# Altium PCB SVEC.pcbdoc (part 11 of 18)
Units mil, origin at the board's own origin, x right, y up, seen from the top; angles counter-clockwise.
Board outline 6349.25 x 9237.04 mil, 10 copper layers (Top Layer, L2 GND, L3, L4 PWR3.3, L5, L6, L7 GND, L8, L9 PWR, Bottom Layer), stack 58.268 mil thick; 906 components, 904 nets, 4753 pads, 3116 vias.
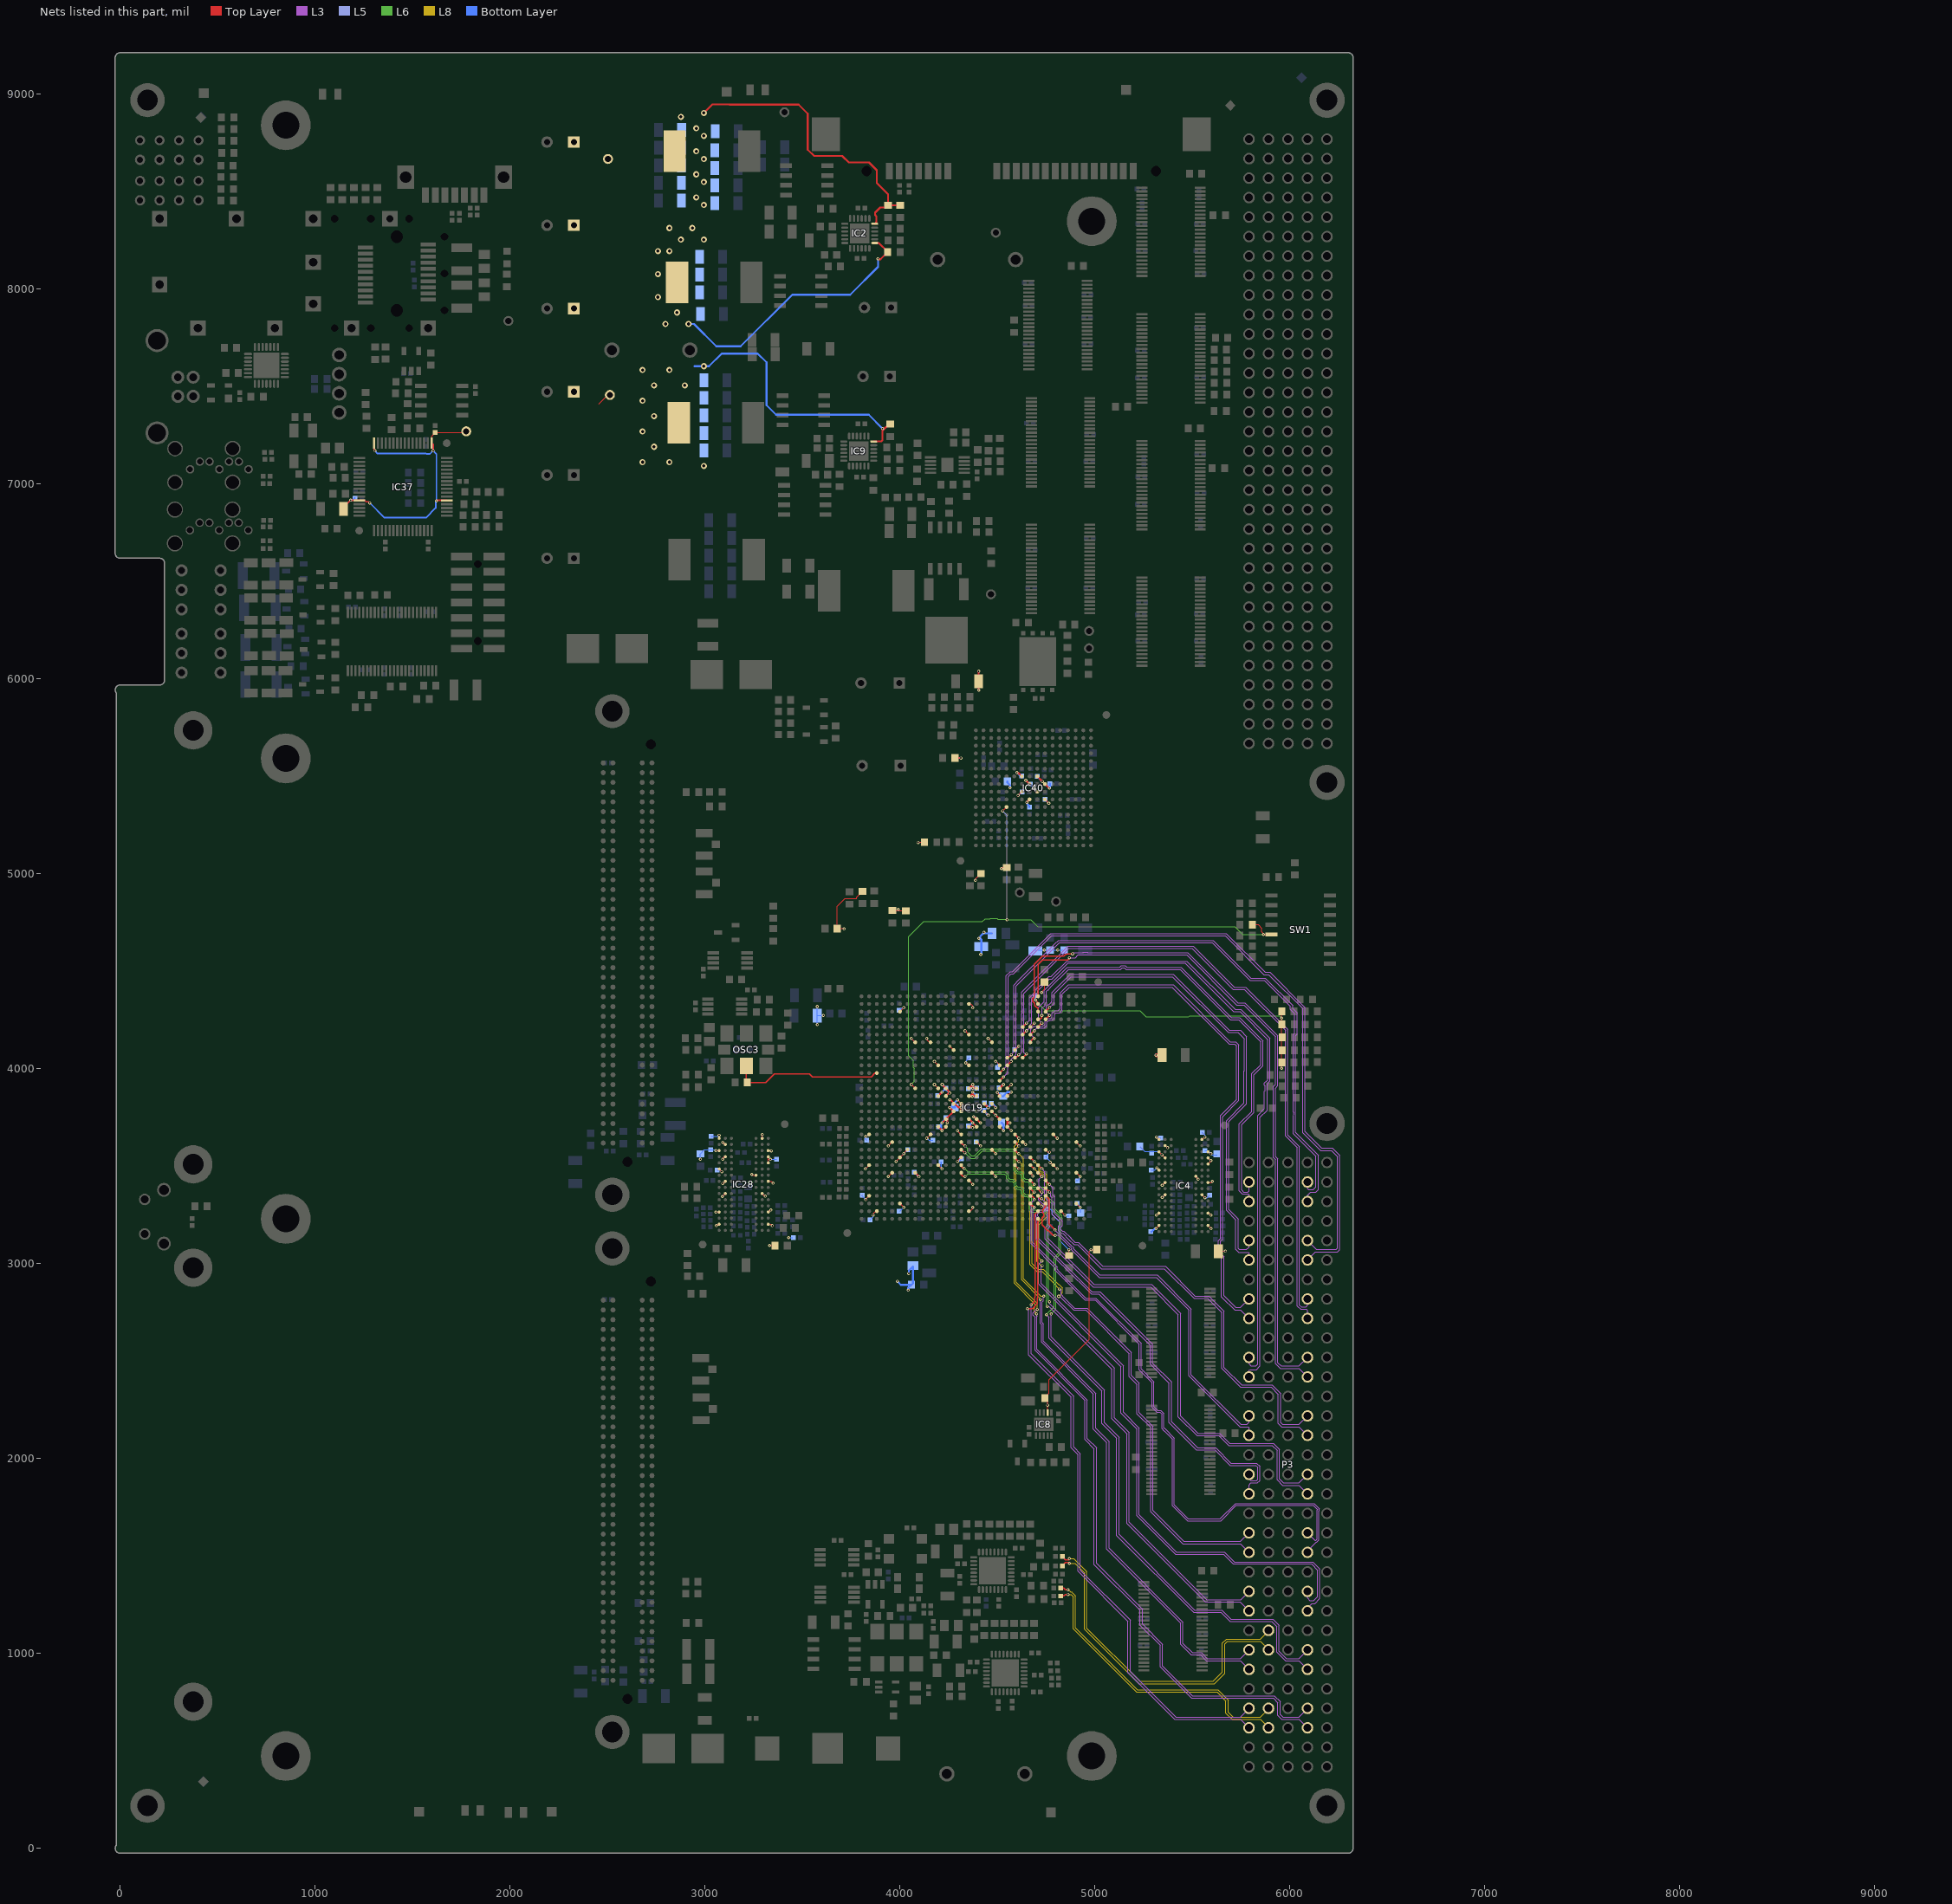
[diagram p19: the nets of this part, all layers, seen from the top]

## Via types
v1: diameter 15.75, hole 7.87, Top Layer to Bottom Layer, tented both sides, 2844 vias
v2: diameter 31.5, hole 15.75, Top Layer to Bottom Layer, tented both sides, 224 vias
v3: diameter 19.68, hole 7.87, Top Layer to Bottom Layer, tented both sides, 31 vias
v4: diameter 15.75, hole 7.87, Top Layer to Bottom Layer, 17 vias

## Nets (pads, with @x,y where several pads share a name; then routed paths per layer and width w, separated by ;. In a path a pad name is that pad's centre, name@x,y a point inside that pad or via, vN(x,y) a via of type N, cw(c..) or ccw(c..) an arc to the next point about the centre after c; other vN are vias at no path point) (continued)
NOGA4: IC19.V23 IC40.F12 R151.1 SW1.5 | length 3429.4
  Top Layer w5: v1(4058.59,3918.62) IC19.V23@4078.28,3898.93 ; v1@4527.07,5322.39 IC40.F12@4546.76,5342.08 ; R151.1@5807.05,4738.51 5837.55,4738.51 5855.55,4720.51 5855.55,4701.51 v1@5868.55,4688.51 ; v1@5867.55,4688.51 v1@5868.55,4688.51 ; SW1.5@5905.95,4688.51 v1@5868.55,4688.51
  L6 w4: 4074.55,3954.51 4074.55,4001.02 4068.86,4006.71 4068.86,4042.2 4043.68,4067.38 4043.68,4384.89 4045.43,4386.64 4045.43,4678.38 4121.68,4754.63 4423.3,4754.63 4437.43,4768.77 4461.75,4768.77 4464.36,4771.38 4497.3,4771.38 4502.17,4766.51 4547.55,4766.51 v1(4549.55,4764.51) 4671.55,4764.51 4707.55,4728.51 5718.55,4728.51 5758.55,4688.51 v1(5864.69,4688.51) v1@5867.55,4688.51
  L6 w5: v1(4058.59,3918.62) 4074.55,3934.58 4074.55,3954.51
  L5 w4: v1(4527.55,5322.51) 4549.55,5300.51 v1(4549.55,4764.51)
OE_SI57X: IC19.Y28 OSC3.2 R20.1 | length 786.8
  Top Layer w6: OSC3.2@3210.55,4016.83 3210.55,3936 R20.1@3217.05,3929.51 3311.92,3929.51 3355.93,3973.51 3536.68,3973.51 3551.69,3958.51 3852.52,3958.51 3871.69,3977.67 IC19.Y28@3881.43,3977.67
P1V2: B6.1 C24.2 C25.2 C45.2 C46.2 C47.2 C49.2 C134.2 C140.2 C146.2 C147.2 C159.2 C160.2 C169.2 C174.2 C177.2 C181.2 C183.2 C192.2 C193.2 C201.2 C203.2 C207.2 C209.2 C210.2 C212.2 C223.2 C224.1 C225.1 C229.2 C231.2 C234.2 C302.2 C305.2 C313.2 C325.2 C334.2 C341.2 C344.2 C381.2 C382.2 IC2.6 IC19.N11 IC19.N12 IC19.N15 IC19.N16 IC19.N19 IC19.N20 IC19.P11 IC19.P12 IC19.P15 IC19.P16 IC19.P19 IC19.R13 IC19.R14 IC19.R17 IC19.R18 IC19.T13 IC19.T14 IC19.T17 IC19.T18 IC19.U11 IC19.U12 IC19.U15 IC19.U16 IC19.U19 IC19.U20 IC19.V11 IC19.V12 IC19.V15 IC19.V16 IC19.V19 IC19.V20 IC40.G7 IC40.G9 IC40.H8 IC40.H10 IC40.J7 IC40.J9 IC40.K8 IC40.K10 L8.1 L9.1 L13.2 R26.1 R129.2 | length 4431.4
  Top Layer w5: v1(4176.7,3918.62) IC19.V20@4196.39,3898.93 ; v1@4216.55,3683.51 4216.55,3682.88 IC19.N19@4235.76,3702.08 ; v1(4255.44,3839.88) v1@4260.32,3839.88 ; v1(4294.81,3839.88) IC19.T17@4314.5,3820.19 4314.5,3802.45 v1(4313.69,3801.64) ; IC19.R17@4314.5,3782.32 v1@4314.5,3800.06 ; IC19.R14@4432.61,3780.82 v1(4452.29,3761.14) ; IC19.R13@4471.98,3780.82 v1(4491.66,3761.14) ; IC19.T13@4471.98,3820.19 v1(4491.66,3800.51) ; IC19.N12@4511.35,3702.08 v1(4531.03,3682.4) ; IC19.N11@4550.72,3702.08 v1(4570.4,3682.4) ; IC19.U11@4550.72,3859.56 v1(4570.4,3879.25) ; IC19.V11@4550.72,3898.93 v1(4570.4,3918.62) ; v1(4605.81,5401.14) IC40.H10@4625.5,5420.82 ; IC40.G7@4743.61,5381.45 v1(4763.3,5361.76)
  Top Layer w10: v2(2994.49,8902.95) 3038.04,8946.51 3125.55,8946.51 3126.55,8945.51 3480.52,8945.51 3527.1,8898.93 3527.1,8715.03 3559.73,8682.4 3703.93,8682.4 3737.69,8648.64 3841.69,8648.64 3881.43,8608.9 3881.43,8543.04 3938.92,8485.55 R26.1@3938.92,8429.37 ; IC2.6@3870.7,8334.09 3879.43,8342.82 3879.43,8372.91 3872.55,8379.78 3872.55,8391.51 3899.55,8418.51 3928.06,8418.51 R26.1@3938.92,8429.37 ; R129.2@4000.92,8429.37 R26.1@3938.92,8429.37 ; IC19.N20@4196.39,3702.08 4197.98,3702.08 v1@4216.55,3683.51 ; IC19.U20@4196.39,3859.56 4196.39,3860.34 v1@4216.55,3880.51 ; v1(4216.69,3918.64) 4216.69,3918 IC19.V19@4235.76,3898.93 4251.55,3883.14 4251.55,3876.51 4235.76,3860.71 IC19.U19@4235.76,3859.56 ; v1@4218.55,3723.51 4218.55,3724.25 IC19.P19@4235.76,3741.45 ; v1(4242.69,3722.64) 4242.69,3748.38 IC19.R18@4275.13,3780.82 v1(4255.44,3800.51) 4254.44,3801.51 v1@4253.55,3801.51 ; v1@4260.32,3839.88 4298.55,3801.64 v1(4313.69,3801.64) ; C313.2@4282.05,5593.51 v1(4312.55,5593.51) ; IC19.N16@4353.87,3699.19 IC19.N16@4353.87,3702.08 4367.25,3702.08 v1(4372.69,3696.64) ; IC19.P16@4353.87,3741.45 4355.61,3741.45 v1@4374.55,3722.51 ; IC19.U16@4353.87,3859.56 4361.61,3859.56 4372.55,3870.51 4375.55,3867.51 ; IC19.V16@4353.87,3898.93 v1@4369.44,3914.51 ; v1@4371.55,3914.51 v1@4369.44,3914.51 ; v1(4371.69,3857.64) 4375.55,3861.51 4375.55,3867.51 ; v1(4373.55,3721.77) IC19.N15@4393.24,3702.08 ; v1(4377.49,3753.26) 4381.43,3753.26 IC19.P15@4393.24,3741.45 4411.18,3723.51 v1@4411.55,3723.51 ; IC19.U15@4393.24,3859.56 4383.5,3859.56 4375.55,3867.51 ; IC19.V15@4393.24,3898.93 4385.02,3898.93 v1@4369.44,3914.51 ; v1(4403.55,6038.51) 4403.61,6038.45 C302.2@4403.61,5987.51 4403.61,5942.45 v1(4404.55,5941.51) ; IC19.T14@4432.61,3820.19 4449.55,3803.25 v1@4449.55,3802.51 ; v1(4491.66,3761.14) IC19.P12@4511.35,3741.45 ; v1@4497.55,3877.51 4511.35,3863.71 IC19.U12@4511.35,3859.56 ; IC19.V12@4511.35,3898.93 4530.55,3918.14 v1@4530.55,3919.51 ; IC19.N11@4550.72,3702.08 4550.72,3724.64 ; IC19.P11@4550.72,3741.45 4550.72,3724.64 ; v1(4564.69,3721.64) 4561.69,3724.64 4550.72,3724.64 ; v1(4600.55,5518.51) 4605.55,5518.51 4624.5,5499.56 IC40.K10@4625.5,5499.56 ; v1(4645.55,5479.51) IC40.J9@4664.87,5460.19 ; v1(4650.55,5366.51) 4650.55,5367.13 IC40.G9@4664.87,5381.45 ; v1(4689.55,5435.51) IC40.H8@4704.24,5420.82 ; IC40.K8@4704.24,5499.56 4730.3,5473.51 v1(4730.55,5473.51) ; IC40.J7@4743.61,5460.19 4764.63,5439.17 v1(4766.22,5439.17) ; v1(5313.55,4069.51) 5313.55,4068.51 v1@5314.55,4069.51 ; v1(4313.69,3801.64) 4314.5,3801.64 4314.5,3800.83 v1(4313.69,3801.64)
  Top Layer w20: v1@5314.55,4069.51 C382.2@5344.5,4069.51
  Bottom Layer w5: v1(4605.81,5401.14) 4607.47,5401.14 C334.2@4626.84,5420.51 ; C325.2@4744.55,5382.79 4744.55,5380.51 v1(4763.3,5361.76)
  Bottom Layer w10: v1(3986.69,2909.64) 4004.82,2891.51 C140.2@4059.06,2891.51 ; v1(4042.55,2863.51) 4042.55,2875 C140.2@4059.06,2891.51 ; v1(4045.55,2949.51) 4045.55,2964.07 4066.55,2985.07 4066.55,2899 C140.2@4059.06,2891.51 ; C24.2@4192.27,3704.51 4195.55,3704.51 v1@4212.69,3687.37 ; C174.2@4193.27,3861.51 4197.55,3861.51 4233.97,3897.92 C25.2@4233.97,3900.64 ; v1(4216.07,3721.77) 4212.69,3718.38 v1@4212.69,3687.37 ; v1@4216.55,3683.51 v1@4212.69,3687.37 ; v1(4216.69,3918.64) 4232.69,3902.64 C25.2@4235.97,3902.64 ; v1@4218.55,3723.51 4218.55,3727.22 C159.2@4234.84,3743.51 ; C25.2@4237.84,3898.51 4237.84,3891.22 4251.55,3877.51 v1@4251.55,3876.51 ; v1@4253.55,3801.51 C147.2@4282.06,3801.51 4282.06,3827.12 v1(4294.81,3839.88) ; C201.2@4351.9,3706.02 C201.2@4353.07,3706.02 ; C223.2@4352.27,3897.51 4354.55,3897.51 4356.55,3899.51 v1(4373.69,3899.51) C203.2@4393.84,3899.51 ; C201.2@4357.81,3706.02 C201.2@4353.07,3706.02 ; v1(4372.69,3696.64) 4369.82,3699.51 4346.55,3699.51 C201.2@4353.07,3706.02 ; v1(4373.55,3721.77) 4368.81,3721.77 C201.2@4353.07,3706.02 ; v1@4378.29,3874.51 4389.97,3862.83 4389.97,3856.64 C193.2@4392.55,3859.22 ; v1(4404.55,4668.51) 4410.55,4662.51 4417.55,4662.51 ; v1(4414.55,4586.51) 4417.55,4589.51 C381.2@4417.55,4626.56 4417.55,4662.51 ; C160.2@4429.27,3781.51 4431.93,3781.51 v1(4452.29,3761.14) ; C160.2@4429.4,3786.64 4433.69,3786.64 4449.55,3802.51 4449.55,3806.79 C177.2@4432.55,3823.79 ; v1(4430.55,4699.51) v1@4435.55,4694.51 ; v1(4452.29,3800.51) 4468.69,3816.9 C229.2@4468.69,3822.92 ; L9.1@4472.12,4694.51 v1@4435.55,4694.51 ; C229.2@4472.55,3823.79 4491.67,3804.68 v1(4491.66,3800.51) ; v1@4497.55,3877.51 4503.69,3877.51 4522.19,3859 C146.2@4529.55,3859 4549.8,3879.25 v1(4570.4,3879.25) ; C192.2@4508.27,3901.51 4512.55,3901.51 v1@4530.55,3919.51 ; C134.2@4521.05,3723.51 4531.04,3713.52 v1(4531.03,3682.4) ; C305.2@4551.05,5473.51 4551.05,5467.28 4564.55,5453.77 v1(4564.55,5441.51) ; v1@4605.55,5518.51 v1(4600.55,5518.51) 4613.27,5505.79 C231.2@4625.55,5505.79 ; v1(4650.55,5366.51) 4650.55,5361.77 4663.55,5348.77 C234.2@4663.55,5342.22 ; C341.2@4667.84,5460.51 4667.84,5457.22 v1(4689.55,5435.51) ; C207.2@4704.84,5499.51 4704.84,5497.8 4729.13,5473.51 v1(4730.55,5473.51) ; v1(4766.22,5439.17) 4768.84,5441.79 C344.2@4768.84,5462.51 ; 4417.55,4662.51 4412.69,4667.37 4412.69,4679.64 4427.55,4694.51 v1@4435.55,4694.51
  other v1: 4216.07,3682.4 4412.92,3721.77 4254.69,3874.64 4499.69,3876.64 4216.07,3879.25 4373.55,3879.25 4373.55,3918.62 4531.03,3918.62
  other v2: 2994.49,8430.51 2955.12,8469.88 2994.49,8548.62 2955.12,8587.99 2994.49,8666.73 2955.12,8706.1 2994.49,8784.84 2955.12,8824.21 2876.38,8883.27
P1V5: C28.2 C66.2 C90.2 C93.2 C103.2 C104.2 C105.2 C106.2 C107.2 C108.2 C109.2 C110.2 C111.2 C121.2 C141.2 C149.2 C161.2 C163.2 C178.2 C182.1 C194.2 C204.2 C230.2 C383.2 C384.2 C385.2 C388.2 C389.2 C391.2 C394.2 C395.2 C396.2 IC2.1 IC4.A1 IC4.A8 IC4.B2 IC4.C1 IC4.C9 IC4.D2 IC4.D9 IC4.E9 IC4.F1 IC4.G7 IC4.H2 IC4.H9 IC4.K2 IC4.K8 IC4.N1 IC4.N9 IC4.R1 IC4.R9 IC8.2 IC19.B4 IC19.B28 IC19.C2 IC19.D29 IC19.G2 IC19.G26 IC19.H5 IC19.H29 IC19.J25 IC19.K6 IC19.K24 IC19.L2 IC19.L26 IC19.M5 IC19.M29 IC28.A1 IC28.A8 IC28.B2 IC28.C1 IC28.C9 IC28.D2 IC28.D9 IC28.E9 IC28.F1 IC28.G7 IC28.H2 IC28.H9 IC28.K2 IC28.K8 IC28.N1 IC28.N9 IC28.R1 IC28.R9 L12.2 R168.2 R187.2 | length 4513.7
  Top Layer w5: v1(3056.55,3264.51) 3056.82,3264.77 IC28.N1@3072.57,3264.77 ; v1(3056.55,3579.51) 3056.78,3579.73 IC28.C1@3072.57,3579.73 ; v1(3057.55,3194.51) 3061.55,3194.51 3068.83,3201.78 IC28.R1@3072.57,3201.78 ; IC28.F1@3072.57,3485.25 v1(3086.31,3471.51) ; IC28.A1@3072.57,3642.73 v1(3072.55,3658.51) ; v1(3089.55,3344.51) 3089.55,3344.75 IC28.K2@3104.07,3359.26 ; v1(3090.55,3411.51) 3091.55,3410.51 3092.32,3410.51 IC28.H2@3104.07,3422.25 ; v1(3090.55,3535.51) 3090.55,3539.51 3099.29,3548.24 IC28.D2@3104.07,3548.24 ; v1(3091.55,3622.51) 3092,3622.51 3103.28,3611.23 IC28.B2@3104.07,3611.23 ; v1(3240.55,3457.51) 3244.31,3453.75 IC28.G7@3261.55,3453.75 ; IC28.A8@3293.04,3642.73 3293.04,3659.99 v1(3294.55,3661.51) ; IC28.K8@3296.31,3359.26 IC28.K8@3293.04,3359.26 3306.8,3345.51 v1(3309.55,3345.51) ; IC28.R9@3324.54,3201.78 3342.28,3201.78 3345.55,3198.51 v1(3345.55,3194.51) ; IC28.N9@3324.54,3264.77 3325.82,3264.77 3335.55,3274.51 v1(3337.55,3274.51) ; IC28.H9@3324.54,3422.25 3339.81,3422.25 v1(3349.55,3412.51) ; IC28.E9@3324.54,3516.74 3324.54,3534.51 ; IC28.D9@3324.54,3548.24 3324.54,3534.51 ; IC28.C9@3324.54,3579.73 3340.33,3579.73 3340.55,3579.51 v1(3340.55,3578.51) ; v1(3331.55,3093.51) 3332.55,3092.51 C395.2@3359.06,3092.51 ; v1(3335.55,3534.51) 3324.54,3534.51 ; v1(3822.37,3485.55) IC19.H29@3842.06,3505.23 ; v1@3823.69,3329.64 3832.74,3338.7 3833,3338.7 IC19.D29@3842.06,3347.75 ; v1(3825.55,3653.51) 3829.55,3653.51 3838.76,3662.71 IC19.M29@3842.06,3662.71 ; 3863.55,3257.51 3875.06,3269.01 IC19.B28@3881.43,3269.01 ; v1(3940.48,3446.18) IC19.G26@3960.17,3465.86 ; v1@3944.55,3609.51 3958.39,3623.34 IC19.L26@3960.17,3623.34 ; v1(3979.85,3524.92) IC19.J25@3999.54,3544.6 IC19.K24@4038.91,3583.97 ; IC19.K6@4747.57,3576.49 IC19.K6@4747.57,3583.97 4760.9,3570.64 4767.69,3570.64 v1(4767.69,3571.64) ; IC8.2@4757.24,2235.56 4757.24,2291.32 4739.31,2309.26 4764.55,2334.51 4764.55,2404.51 4970.55,2610.51 4970.55,3062.51 v1(4979.55,3071.51) C149.2@5008.06,3071.51 ; v1(4770.61,3518.56) 4769.69,3519.48 4769.69,3522.48 IC19.H5@4786.94,3505.23 v1(4806.62,3485.55) ; IC19.M5@4786.94,3662.71 v1(4806.62,3643.03) ; IC19.B4@4826.31,3269.01 v1(4846,3249.33) ; IC19.C2@4905.05,3308.38 v1(4924.74,3288.7) 4925.55,3289.51 v1@4925.55,3293.51 ; IC19.G2@4905.05,3465.86 4922.55,3448.36 v1@4922.55,3446.51 ; IC19.L2@4905.05,3623.34 4925.55,3602.84 v1@4925.55,3598.51 ; v1(5313.48,3179.88) 5314.55,3180.96 5314.55,3181.77 IC4.R1@5328.57,3195.78 ; v1(5315.55,3649.51) 5314.55,3648.51 5326.33,3636.73 IC4.A1@5328.57,3636.73 ; v1(5316.13,3248.34) 5315.95,3248.51 5318.3,3248.51 IC4.N1@5328.57,3258.77 IC4.N1@5329.82,3258.77 ; v1(5317.55,3491.51) 5328.57,3480.49 IC4.F1@5328.57,3479.25 IC4.F1@5330.29,3479.25 ; IC4.C1@5328.57,3573.73 v1(5343.8,3558.51) IC4.D2@5360.07,3542.24 ; v1(5345.55,3339.51) 5346.31,3339.51 IC4.K2@5360.07,3353.26 ; v1(5345.55,3402.51) 5346.55,3401.51 5347.55,3401.51 5347.55,3403.74 IC4.H2@5360.07,3416.25 ; IC4.B2@5360.07,3605.23 5370.79,3594.51 v1(5372.55,3594.51) ; IC4.G7@5517.55,3447.75 5517.55,3445.6 v1(5529.59,3433.55) ; IC4.A8@5549.04,3636.73 5551.2,3636.73 v1(5563.77,3649.29) ; IC4.K8@5549.31,3353.26 IC4.K8@5549.04,3353.26 5563.8,3338.51 v1(5564.55,3338.51) ; IC4.R9@5580.54,3195.78 5595.11,3181.21 v1(5595.11,3179.06) ; IC4.N9@5580.54,3258.77 5584.29,3258.77 v1(5594.55,3248.51) ; IC4.H9@5580.54,3416.25 5597.3,3416.25 5599.55,3418.51 v1@5598.55,3418.51 ; IC4.E9@5580.54,3510.74 5593.3,3523.51 5594.55,3523.51 v1(5594.55,3528.51) 5580.82,3542.24 IC4.D9@5580.54,3542.24 ; IC4.C9@5580.54,3573.73 5590.77,3563.51 v1(5594.55,3563.51) ; C121.2@5633.61,3063.51 v1(5669.55,3063.51)
  Top Layer w10: IC2.1@3870.7,8235.66 3891.64,8235.66 R168.2@3937.43,8189.88 3900.06,8152.51 v1@3888.55,8152.51
  L3 w4: v1(3086.31,3471.51) v1@3087.55,3471.51
  L3 w5: v1(3309.55,3345.51) v1@3310.55,3346.51
  Bottom Layer w5: v1(2976.55,3535.51) C396.2@2976.55,3563 2996.77,3583.22 C385.2@3028.55,3583.22 3052.84,3583.22 v1(3056.55,3579.51) ; C394.2@3031.55,3652.22 3066.27,3652.22 v1(3072.55,3658.51) ; C389.2@3062.27,3479.51 3078.31,3479.51 v1(3086.31,3471.51) ; v1(3335.55,3534.51) 3336.27,3535.22 C388.2@3366.55,3535.22 ; v1(3429.55,3133.51) C383.2@3449.84,3133.51 ; C161.2@3806.55,3357.55 C161.2@3806.55,3357.79 ; C161.2@3806.69,3349.92 3806.69,3346.78 v1(3825.4,3328.07) ; v1(3825.55,3653.51) 3825.55,3636.49 C230.2@3829.4,3632.64 ; C391.2@3846.4,3223.64 3861.74,3238.98 v1(3861.74,3249.33) v1@3865.29,3249.33 ; v1@4020.55,3566.51 4022.84,3566.51 C384.2@4040.84,3584.51 ; v1(4767.69,3571.64) 4767.69,3567.64 4748.97,3548.92 C194.2@4748.97,3546.64 4748.97,3545.36 4770.61,3523.72 v1(4770.61,3518.56) ; v1(4846,3249.33) 4850.1,3245.22 C28.2@4867.55,3245.22 ; C178.2@4901.27,3309.51 4908.82,3309.51 4924.82,3293.51 4925.55,3293.51 4927.55,3291.51 C141.2@4927.55,3263 ; C204.2@4905.55,3426.22 4910.27,3426.22 4922.55,3438.51 v1@4922.55,3446.51 ; C111.2@5230.05,3600.51 5254.77,3575.79 5326.51,3575.79 v1(5343.8,3558.51) ; C104.2@5289.55,3480.79 5306.84,3480.79 v1(5317.55,3491.51) ; v1(5313.48,3179.88) v1@5314.55,3180.96 ; v1@5318.06,3652.01 v1(5315.55,3649.51) 5319.84,3645.22 C109.2@5337.55,3645.22 ; C108.2@5551.84,3673.51 5551.84,3671.49 5563.77,3659.56 v1(5563.77,3649.29) ; C107.2@5563.55,3579.79 5578.27,3579.79 v1(5594.55,3563.51) 5599.55,3558.51 C110.2@5625.55,3558.51 ; v1(5564.55,3338.51) 5575.55,3338.51 5587.84,3350.79 C103.2@5589.55,3350.79
  Bottom Layer w10: v2(2915.75,7820.28) 2943.78,7820.28 3058.55,7705.51 3182.55,7705.51 3447.55,7970.51 3744.55,7970.51 3887.55,8113.51 v1(3887.55,8154.51) ; C105.2@5287.55,3163.22 5291.34,3163.22 5308,3179.88 v1(5313.48,3179.88)
  other v1: 4757.11,2274.06 5602.55,3422.51 4924.74,3446.18 4019.22,3564.29 3940.48,3603.66 4924.74,3603.66
  other v2: 2797.64,7820.28 2856.7,7879.33 2758.27,7958.07 2758.27,8076.18 2758.27,8194.29 2817.33,8194.29 2876.38,8253.35 2994.49,8253.35 2817.33,8312.4 2935.44,8312.4
P1V8: B2.1 C355.2 C362.1 C367.1 IC37.12 IC37.37 IC37.49 IC37.64 | length 1581
  Top Layer w5: IC37.49@1598.62,7208.92 1598.62,7244.43 C367.1@1616.99,7262.79 1768.84,7262.79 B2.1@1775.55,7269.51
  Top Layer w8: C355.2@1130.04,6851.51 1130.04,6863.99 v1(1182.55,6916.51) 1225.68,6916.51 IC37.12@1226.58,6915.61 1254.72,6915.61 1261.7,6908.63 1274.43,6908.63 v1(1280.55,6902.51) ; IC37.64@1303.35,7208.92 1303.35,7172.71 v1(1306.55,7169.51) ; IC37.49@1598.62,7208.92 1605.55,7201.99 v1(1605.55,7169.51) ; v1(1622.55,6912.51) 1625.66,6915.61 IC37.37@1675.4,6915.61
  Bottom Layer w8: v1(1182.55,6916.51) 1191.55,6916.51 1201.55,6926.51 C362.1@1204.84,6926.51 ; v1(1280.55,6902.51) 1356.55,6826.51 1568.55,6826.51 1618.68,6876.63 1618.68,6908.63 v1(1622.55,6912.51) 1622.55,7152.51 v1(1605.55,7169.51) 1589.68,7153.63 1571.56,7153.63 1569.69,7155.51 1320.55,7155.51 v1(1306.55,7169.51)
P2_DATA_N0: IC19.AB11 P3.a3 | length 3159.4
  Top Layer w6: IC19.AB11@4550.72,4056.41 4556.46,4056.41 v1@4571.55,4071.51
  L3 w4: v1(4570.69,4071.64) 4584.81,4085.77 4584.81,4369.27 4585.18,4369.64 4585.18,4428.64 4597.72,4441.17 4597.72,4443.64 4795.05,4640.98 4812.58,4658.51 5606.52,4658.51 5800.52,4464.51 5874.15,4464.51 6014.43,4324.22 6014.43,4308.63 6036.68,4286.38 6036.68,4177.57 6028.68,4169.57 6028.68,3779.14 6029.05,3778.77 6029.05,3758.99 6028.68,3758.62 6028.68,3672.35 6145.55,3555.48 6145.55,3379.51 6132.55,3366.51 6106.55,3366.51 6090.55,3350.51 P3.a3@6090.55,3318.51
P2_DATA_N1: IC19.Y12 P3.a6 | length 3819.6
  Top Layer w6: IC19.Y12@4511.35,3977.67 4511.72,3977.67 4525.55,3991.51
  L3 w4: v1(4531.03,3997.36) 4537.07,4003.4 4542.43,4008.75 4545.55,4011.88 4545.55,4477.1 4566.84,4498.38 4578.46,4498.38 4773.58,4693.51 5673.52,4693.51 5872.52,4494.51 5896.55,4494.51 6078.43,4312.63 6078.43,3676.6 6162.52,3592.51 6217.52,3592.51 6255.55,3554.48 6255.55,3071.51 6243.55,3059.51 6131.55,3059.51 P3.a6@6090.55,3018.51
P2_DATA_N2: IC19.AB9 P3.a9 | length 3493.4
  Top Layer w6: IC19.AB9@4629.46,4056.41 4643.55,4070.51 v1@4643.55,4074.51
  L3 w4: v1@4643.55,4074.51 4635.27,4082.79 4635.27,4239.7 4635.65,4240.08 4635.65,4345.56 4635.27,4345.94 4635.27,4385.63 4667.43,4417.79 4667.43,4418 4866.93,4617.51 5498.58,4617.51 5709.58,4406.51 5767.58,4406.51 5976.55,4197.54 5976.55,3655.51 6037.55,3594.51 6037.55,2782.54 6054.58,2765.51 6083.55,2765.51 6090.55,2758.51 P3.a9@6090.55,2718.51
  other v1: 4649.14,4076.1
P2_DATA_N3: IC19.AK7 P3.a12 | length 3457.6
  Top Layer w6: IC19.AK7@4708.2,4371.37 4708.2,4534.15 4730.43,4556.38 4859.43,4556.38 4868.55,4565.51 v1(4868.55,4569.51)
  L3 w4: v1(4868.55,4569.51) 4899.55,4569.51 4913.55,4583.51 4943.93,4583.51 4944.81,4584.38 4956.3,4584.38 4957.17,4583.51 5470.58,4583.51 5727.58,4326.51 5763.58,4326.51 5926.55,4163.54 5926.55,3919.38 5914.68,3907.51 5914.68,3544.62 5926.08,3533.22 5926.08,2487.01 5950.58,2462.51 6046.55,2462.51 P3.a12@6090.55,2418.51
P2_DATA_N4: IC19.E6 P3.a15 | length 2221.8
  Top Layer w6: IC19.E6@4747.57,3387.12 4766.18,3368.51 v1@4767.55,3368.51
  L3 w4: v1@4767.55,3368.51 4773.43,3362.63 4773.43,3344.25 4780.75,3336.93 4780.75,3252.93 4821.43,3212.25 4821.43,3200.76 4814.16,3193.49 4814.56,3193.1 4812.68,3191.22 4812.68,3169.79 4818.83,3163.64 4818.88,3163.64 4827.89,3154.63 4835.44,3154.63 4864.93,3125.14 4864.93,3124.43 4892.36,3097.01 4910.65,3097.01 5034.15,2973.51 5356.58,2973.51 5508.58,2821.51 5578.55,2821.51 5650.55,2749.51 5650.55,2462.54 5747.58,2365.51 5903.58,2365.51 5940.55,2328.54 5940.55,2179.54 5957.58,2162.51 6046.55,2162.51 P3.a15@6090.55,2118.51
  other v1: 4767.25,3367.44
P2_DATA_N5: IC19.G7 P3.a18 | length 2657.6
  Top Layer w6: IC19.G7@4708.2,3465.86 4717.48,3456.58 4717.48,3455.85 v1@4725.69,3447.64
  L3 w4: v1(4727.88,3446.18) 4714.01,3432.3 4714.01,3401.06 4714.01,3400.51 4733.21,3381.31 4733.63,3381.31 4741.76,3373.18 4741.76,3339.92 4757.55,3324.13 4757.55,3321.09 4757.69,3320.95 4757.69,3270.33 4757.55,3270.19 4757.55,3195.51 4745.55,3183.51 4745.55,3125.54 4990.58,2880.51 5285.55,2880.51 5427.55,2738.51 5427.55,2213.54 5523.58,2117.51 5634.58,2117.51 5685.58,2066.51 5909.58,2066.51 5934.55,2041.54 5934.55,1890.54 5962.58,1862.51 6046.55,1862.51 P3.a18@6090.55,1818.51
P2_DATA_N6: IC19.C8 P3.a21 | length 2985.2
  Top Layer w6: 4679.55,3292.51 4668.83,3303.23 IC19.C8@4668.83,3308.38 4684.7,3292.51 v1@4687.55,3292.51
  L3 w4: v1(4688.51,3288.7) 4684.36,3284.54 4686.31,3282.59 4682.69,3278.97 4682.69,3105.55 4806.14,2982.09 4806.14,2970.18 4811.68,2964.64 4811.68,2963.76 4953.25,2822.19 5005.41,2822.19 5237.68,2589.92 5237.68,2458.89 5302.81,2393.76 5302.81,2266.51 5321.69,2247.64 5326.8,2247.64 5338.51,2247.63 5354,2232.14 5354,2156.83 5356.11,2154.71 5356.82,2154.71 5406.77,2104.76 5406.77,1762.24 5478.74,1690.27 5642.38,1690.27 5721.25,1769.14 6123.79,1769.14 6151.27,1741.66 6151.27,1733.37 6149.27,1731.37 6149.27,1581.77 6137.54,1570.03 6134.71,1570.03 6090.55,1525.88 P3.a21@6090.55,1518.51
P2_DATA_N7: IC19.H8 P3.a24 | length 3372.5
  Top Layer w6: IC19.H8@4668.83,3505.23 v1(4688.51,3485.55)